# KiCad board OBC-Flight.kicad_pcb
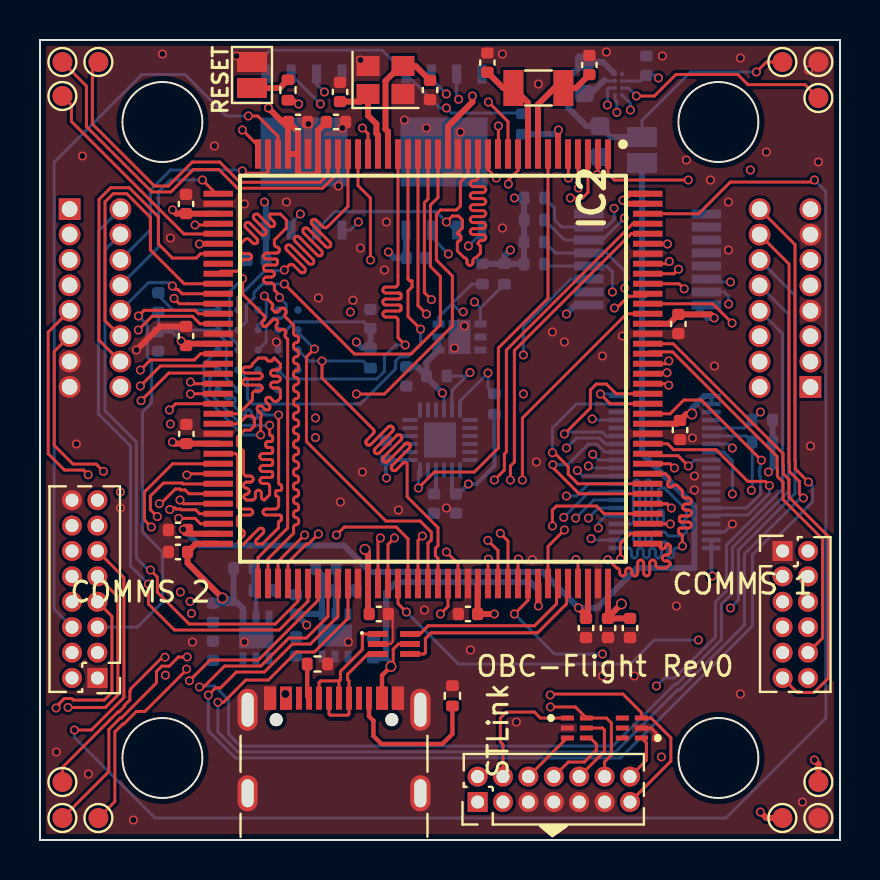
[diagram p0: board, top side]
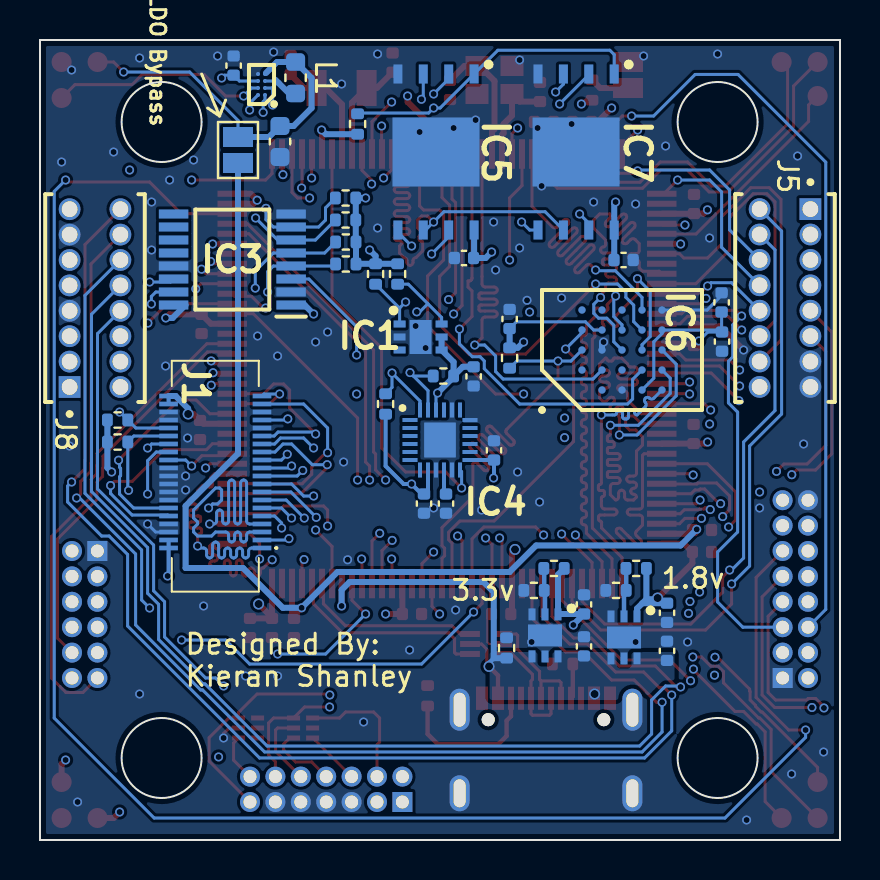
[diagram p1: board, bottom side, seen from below]

Outline 40 x 40 mm; copper layers: Top, In1.Cu (plane), In2.Cu (plane), In3.Cu, In4.Cu (plane), In5.Cu, In6.Cu (plane), Bottom. Coordinates in mm from the lower left corner of the outline.
Outline path: circle c6.12,35.9 r2 ; circle c6.12,4.1 r2 ; circle c33.92,35.9 r2 ; circle c33.92,4.1 r2 ; 0,0 0,40 40,40 40,0 0,0
Stack: Top 0.035mm / dielectric 0.1mm FR4 er 4.5 / In1.Cu 0.035mm / dielectric 0.1mm FR4 er 4.5 / In2.Cu 0.035mm / dielectric 0.1mm FR4 er 4.5 / In3.Cu 0.035mm / dielectric 0.1mm FR4 er 4.5 / In4.Cu 0.035mm / dielectric 0.1mm FR4 er 4.5 / In5.Cu 0.035mm / dielectric 0.1mm FR4 er 4.5 / In6.Cu 0.035mm / dielectric 0.1mm FR4 er 4.5 / Bottom 0.035mm

## Placement (name value [footprint] x y rotation side)
C1  100nF  [C_0402_1005Metric]  17.3 19.48 270 bottom
C2  100nF  [C_0402_1005Metric]  20.8 16.82 90 bottom
C3  100nF  [C_0402_1005Metric]  19.7 16.82 270 bottom
C4  100nF  [C_0402_1005Metric]  18.32 23.18 270 bottom
C5  100nF  [C_0402_1005Metric]  18.8 29.1 0 bottom
C6  4.7uF  [C_0402_1005Metric]  5.9 24.92 270 bottom
C7  4.7uF  [C_0402_1005Metric]  16.52 26.05 90 bottom
C8  100nF  [C_0402_1005Metric]  5.92 26.88 90 bottom
C9  2.2uF  [C_0402_1005Metric]  6.9 15.5 180 top
C10  2.2uF  [C_0402_1005Metric]  27.3 10.6 270 top
C11  4.7uF  [C_0402_1005Metric]  29.5 10.6 270 top
C12  100nF  [C_0402_1005Metric]  14.8 35.9 0 top
C13  100nF  [C_0402_1005Metric]  12.9 35.9 0 top
C14  100nF  [C_0402_1005Metric]  7.3 31.8 90 top
C15  100nF  [C_0402_1005Metric]  7.3 25.2 90 top
C16  100nF  [C_0402_1005Metric]  7.32 20.3 90 top
C17  100nF  [C_0402_1005Metric]  6.9 14.4 180 top
C18  100nF  [C_0402_1005Metric]  16.94 11.3 0 top
C19  100nF  [C_0402_1005Metric]  28.4 10.6 270 top
C20  100nF  [C_0402_1005Metric]  32 20.5 270 top
C21  100nF  [C_0402_1005Metric]  31.92 25.8 270 top
C22  10pF  [C_0402_1005Metric]  19.5 37.5 270 top
C23  10pF  [C_0402_1005Metric]  15 37.4 90 top
C24  4pF  [C_0402_1005Metric]  27.47 38.75 90 top
C25  4pF  [C_0402_1005Metric]  22.37 38.87 90 top
C26  100nF  [C_0402_1005Metric]  10.82 29 180 bottom
C27  1uF  [C_0402_1005Metric]  12.8 9.68 270 bottom
C28  4.7uF  [C_0402_1005Metric]  12.8 11.78 270 bottom
C29  4.7uF  [C_0402_1005Metric]  8.65 11.36 90 bottom
C30  1uF  [C_0402_1005Metric]  8.65 9.46 270 bottom
C31  10uF  [C_0603_1608Metric]  28 34.92 270 bottom
C32  1uF  [C_0402_1005Metric]  21.4 11.3 180 top
C33  4.7uF  [C_0402_1005Metric]  30.32 38.72 270 bottom
IC1  TMP117MAIDRVR  [SON65P200X200X80-7N]  20.97 25.15 180 bottom
IC2  STM32H723ZGT6  [QFP50P2200X2200X160-144N]  19.65 23.56 270 top
IC3  PCA9846PWJ  [SOP65P640X110-16N]  30.38 29.02 0 bottom
IC4  ICM-20948  [QFN40P300X300X105-25N-D]  20 20 180 bottom
IC5  W25N01GVZEIG_TR  [SON127P800X600X80-9N-D]  20.2 34.4 270 bottom
IC6  APS12808L-OBMX-BA  [BGA24C100P5X5_600X800X120]  10.9 24.5 90 bottom
IC7  W25N01GVZEIG_TR  [SON127P800X600X80-9N-D]  13.2 34.4 270 bottom
IC8  TLV76701DRVR  [SON65P200X200X80-7N]  10.8 10.13 270 bottom
IC9  TPS628610YCHR  [BGA8C35P2X4_66X136X40]  28.92 37.77 0 bottom
IC10  TLV76701DRVR  [SON65P200X200X80-7N]  14.75 10.23 270 bottom
IC11  ESDALC6V1-5M6  [ESDALC6V15M6]  26.84 5.6 270 top
IC12  ESDALC6V1-5M6  [ESDALC6V15M6]  29.59 5.6 90 top
IC13  USBLC6-2P6  [USBLC62P6]  17.7 9.8 270 top
J1  SS4-20-3.00-L-D-K-TR  [SS420350LDKTR]  31.23 18.4 270 bottom
J2  STLink  [PinHeader_2x07_P1.27mm_Vertical]  21.88 1.9 90 top
J3  COMMS 1  [PinHeader_2x06_P1.27mm_Vertical]  37.13 14.45 0 top
J4  COMMS 2  [PinHeader_2x08_P1.27mm_Vertical]  2.87 8.1 180 top
J5  SLM-108-01-L-D  [SAMTEC_SLM-108-01-L-D]  2.75 27.1 90 bottom
J7  USB_C_Receptacle_USB2.0  [USB_C_Receptacle_GCT_USB4105-xx-A_16P_TopMnt_Horizontal]  14.7 3.41 0 top
J8  SLM-108-01-L-D  [SAMTEC_SLM-108-01-L-D]  37.25 27.09 270 bottom
JP1  LDO Bypass  [SolderJumper-2_P1.3mm_Open_Pad1.0x1.5mm]  30.1 34.5 270 bottom
JP2  RESET  [SolderJumper-2_P1.3mm_Open_Pad1.0x1.5mm]  10.6 38.25 90 top
L1  0.47uH  [L_0603_1608Metric]  27.22 38.11 90 bottom
R1  2.2k  [R_0402_1005Metric]  24.72 32.1 0 bottom
R2  2.2k  [R_0402_1005Metric]  24.72 31 0 bottom
R3  2.2k  [R_0402_1005Metric]  24.71 28.8 0 bottom
R4  2.2k  [R_0402_1005Metric]  24.71 29.9 0 bottom
R5  5.1k  [R_0402_1005Metric]  13.87 8.8 180 top
R6  5.1k  [R_0402_1005Metric]  20.62 7.21 270 top
R7  200k  [R_0402_1005Metric]  10.19 13.58 0 bottom
R8  160k  [R_0402_1005Metric]  11.2 12.48 0 bottom
R9  500k  [R_0402_1005Metric]  14.3 13.58 0 bottom
R10  160k  [R_0402_1005Metric]  15.3 12.48 0 bottom
R11  2.2k  [R_0402_1005Metric]  22.72 21.8 90 bottom
R12  2.2k  [R_0402_1005Metric]  19.83 23.2 0 bottom
R13  2.2k  [R_0402_1005Metric]  22.12 28.3 270 bottom
R14  2.2k  [R_0402_1005Metric]  23.22 28.3 270 bottom
R15  2.2k  [R_0402_1005Metric]  36.12 21 180 bottom
R16  2.2k  [R_0402_1005Metric]  36.12 19.9 180 bottom
R17  500k  [R_0402_1005Metric]  16.67 9.6 270 bottom
R18  2.2k  [R_0402_1005Metric]  12.4 37.5 90 top
R19  500k  [R_0402_1005Metric]  16.52 24.1 270 bottom
R20  500k  [R_0402_1005Metric]  24.12 35.8 90 bottom
TP1  CSTOP  [TestPoint_Pad_D1.0mm]  1.12 38.9 180 top
TP2  CSLEEP  [TestPoint_Pad_D1.0mm]  2.92 38.9 180 top
TP3  NDSTOP  [TestPoint_Pad_D1.0mm]  1.12 37.2 180 top
TP4  SYNC0  [TestPoint_Pad_D1.0mm]  1.12 1.1 0 top
TP5  SYNC1  [TestPoint_Pad_D1.0mm]  2.92 1.1 0 top
TP6  SYNC2  [TestPoint_Pad_D1.0mm]  1.12 2.9 0 top
TP7  1.8v  [TestPoint_Pad_D1.0mm]  37.12 1.1 180 top
TP8  3.3v  [TestPoint_Pad_D1.0mm]  38.92 2.9 180 top
TP9  GND  [TestPoint_Pad_D1.0mm]  38.92 1.1 180 top
TP10  VCORE  [TestPoint_Pad_D1.0mm]  37.12 38.9 0 top
TP11  GND  [TestPoint_Pad_D1.0mm]  38.92 38.9 0 top
TP12  VSEL  [TestPoint_Pad_D1.0mm]  38.92 37.1 0 top
Y1  48Mhz Quartz Crystal  [Crystal_SMD_2520-4Pin_2.5x2.0mm]  17.27 38 0 top
Y3  32.768kHz Quartz Crystal  [Crystal_SMD_3215-2Pin_3.2x1.5mm]  24.92 37.6 180 top

## Library data of the parts
C1-C33 = -: Description: Unpolarized capacitor, small symbol
IC1 = -: Description: +/-0.1C Accurate Digital Temperature Sensor with Integrated NV Memory; Height: 0.8; Manufacturer_Name: Texas Instruments; Mouser Part Number: 595-TMP117MAIDRVR; Mouser Price/Stock: https://www.mouser.co.uk/ProductDetail/Texas-Instruments/TMP117MAIDRVR?qs=qSfuJ%252Bfl%2Fd6ns6kYPunSVg%3D%3D
IC2 = -: Description: ARM Microcontrollers - MCU High-performance and DSP with DP-FPU, Arm Cortex-M7 MCU with 1 MByte Flash; Height: 1.6; Manufacturer_Name: STMicroelectronics; Mouser Part Number: 511-STM32H723ZGT6; Mouser Price/Stock: https://www.mouser.co.uk/ProductDetail/STMicroelectronics/STM32H723ZGT6?qs=sPbYRqrBIVkPaOxQT7wG%252BA%3D%3D
IC3 = -: Description: NXP - PCA9846PWJ - Bidirectional Switch, 4:1, 2 Circuits, 24 ohm, I2C, 0.8V to 3.6V, TSSOP-16; Height: 1.1; Manufacturer_Name: NXP; Mouser Part Number: 771-PCA9846PWJ; Mouser Price/Stock: https://www.mouser.co.uk/ProductDetail/NXP-Semiconductors/PCA9846PWJ?qs=Q1MICM81PnD8pOOv3dnpxA%3D%3D
IC4 = -: Description: IMUs - Inertial Measurement Units World's Lowest Power 9-Axis MEMS MotionTracking Device; Height: 1.05; Manufacturer_Name: TDK; Mouser Part Number: 410-ICM-20948; Mouser Price/Stock: https://www.mouser.co.uk/ProductDetail/TDK-InvenSense/ICM-20948?qs=u4fy%2FsgLU9OtGc31yF%2Friw%3D%3D
IC5 IC7 = -: Description: IC FLASH 1GBIT 104MHZ 8WSON; Height: 0.8; Manufacturer_Name: Winbond; Manufacturer_Part_Number: W25N01GVZEIG TR; Mouser Part Number: 454-W25N01GVZEIGTR; Mouser Price/Stock: https://www.mouser.co.uk/ProductDetail/Winbond/W25N01GVZEIG-TR?qs=qSfuJ%252Bfl%2Fd6niBi0Qz1MPg%3D%3D
IC6 = -: Description: DRAM IoT RAM 128Mb OPI (x8) DDR 200MHz, 1.8V, Ext. Temp., BGA24; Height: 1.2; Manufacturer_Name: AP Memory; Mouser Part Number: 878-APS12808L-OBMXBA; Mouser Price/Stock: https://www.mouser.co.uk/ProductDetail/AP-Memory/APS12808L-OBMX-BA?qs=TuK3vfAjtkWxIQRMGHfJdg%3D%3D
IC8 IC10 = -: Description: Adjustable and fixed 1-A 16-V positive-voltage low-dropout (LDO) linear regulator; Height: 0.8; Manufacturer_Name: Texas Instruments; Mouser Part Number: 595-TLV76701DRVR; Mouser Price/Stock: https://www.mouser.co.uk/ProductDetail/Texas-Instruments/TLV76701DRVR?qs=l7cgNqFNU1h4nW14BHdGSQ%3D%3D
IC9 = -: Description: Switching Voltage Regulators 1.8-V to 5.5-V input, tiny, 1-A ultra-low Iq step-down converter with I2C/VSEL interface 8-DSBGA -40 to 125; Height: 0.4; Manufacturer_Name: Texas Instruments; Mouser Part Number: 595-TPS628610YCHR; Mouser Price/Stock: https://www.mouser.co.uk/ProductDetail/Texas-Instruments/TPS628610YCHR?qs=hWgE7mdIu5RMknWMDeLEGw%3D%3D
IC11 IC12 = -: Description: STMicroelectronics ESDALC6V1-5M6 Quint Uni-Directional TVS Diode, 30W peak, 6-Pin uQFN; Height: 0.65; Manufacturer_Name: STMicroelectronics; Mouser Part Number: 511-ESDALC6V1-5M6; Mouser Price/Stock: https://www.mouser.co.uk/ProductDetail/STMicroelectronics/ESDALC6V1-5M6?qs=riAxU6JNBCsF7CaldDOuJw%3D%3D
IC13 = -: Description: ESD Suppressors / TVS Diodes High Speed Interface Protection Low Cap; Height: 0.6; Manufacturer_Name: STMicroelectronics; Mouser Part Number: 511-USBLC6-2P6; Mouser Price/Stock: https://www.mouser.co.uk/ProductDetail/STMicroelectronics/USBLC6-2P6?qs=6ARB0lp6jlViGcbUSvj1Mw%3D%3D
J1 = -: Description: Samtec SS4 Series 0.4mm 40 Way 2 Row Straight PCB Socket Surface Mount Board to Board; Height: 3.5; Manufacturer_Name: SAMTEC; Mouser Part Number: 200-SS4203.00LDKTR; Mouser Price/Stock: https://www.mouser.co.uk/ProductDetail/Samtec/SS4-20-300-L-D-K-TR?qs=FESYatJ8odKmMeGvhvNVog%3D%3D
J2 = -: Description: Generic connector, double row, 02x07, odd/even pin numbering scheme (row 1 odd numbers, row 2 even numbers), script generated (kicad-library-utils/schlib/autogen/connector/)
J3 = -: Description: Generic connector, single row, 01x12, script generated
J4 = -: Description: Generic connector, single row, 01x16, script generated
J5 J8 = -: MANUFACTURER: SAMTEC; PARTREV: E; STANDARD: Manufacturer Recommendations
J7 = -: Description: USB 2.0-only Type-C Receptacle connector
JP1 JP2 = -: Description: Jumper, 2-pole, open
L1 = -: Description: Inductor
R1-R20 = -: Description: Resistor, small US symbol
TP1-TP12 = -: Description: test point
Y1 = -: Description: Four pin crystal, GND on pins 2 and 4
Y3 = -: Description: Two pin crystal

## Footprints (pads in the part's own frame, mm; a bottom-side part is the same pattern mirrored in y, then rotated)
BGA8C35P2X4_66X136X40
  round 0.204 smd: A1(-0.175,0.525) A2(0.175,0.525) B1(-0.175,0.175) B2(0.175,0.175) C1(-0.175,-0.175) C2(0.175,-0.175) D1(-0.175,-0.525) D2(0.175,-0.525)
BGA24C100P5X5_600X800X120
  round 0.37 smd: A2(-1,2) A3(0,2) A4(1,2) A5(2,2) B1(-2,1) B2(-1,1) B3(0,1) B4(1,1) B5(2,1) C1(-2,0) C2(-1,0) C3(0,0) C4(1,0) C5(2,0) D1(-2,-1) D2(-1,-1) D3(0,-1) D4(1,-1) D5(2,-1) E1(-2,-2) E2(-1,-2) E3(0,-2) E4(1,-2) E5(2,-2)
C_0402_1005Metric
  rrect 0.56x0.62 smd: 1(-0.48,0) 2(0.48,0)
C_0603_1608Metric
  rrect 0.9x0.95 smd: 1(-0.775,0) 2(0.775,0)
Crystal_SMD_2520-4Pin_2.5x2.0mm
  rect 1.15x1 smd: 1(-0.875,-0.7) 2(0.875,-0.7) 3(0.875,0.7) 4(-0.875,0.7)
Crystal_SMD_3215-2Pin_3.2x1.5mm
  rect 1x1.8 smd: 1(1.25,0) 2(-1.25,0)
ESDALC6V15M6
  rect 0.25x0.65 smd: 1(-0.5,-0.475) 2(0,-0.475) 3(0.5,-0.475) 4(0.5,0.475) 5(0,0.475) 6(-0.5,0.475)
L_0603_1608Metric
  rrect 0.875x0.95 smd: 1(-0.787,0) 2(0.787,0)
PinHeader_2x06_P1.27mm_Vertical
  rect 1x1 hole 0.65: 1(0,0)
  oval 1x1 hole 0.65: 2(1.27,0) 3(0,-1.27) 4(1.27,-1.27) 5(0,-2.54) 6(1.27,-2.54) 7(0,-3.81) 8(1.27,-3.81) 9(0,-5.08) 10(1.27,-5.08) 11(0,-6.35) 12(1.27,-6.35)
PinHeader_2x07_P1.27mm_Vertical
  rect 1x1 hole 0.65: 1(0,0)
  oval 1x1 hole 0.65: 2(1.27,0) 3(0,-1.27) 4(1.27,-1.27) 5(0,-2.54) 6(1.27,-2.54) 7(0,-3.81) 8(1.27,-3.81) 9(0,-5.08) 10(1.27,-5.08) 11(0,-6.35) 12(1.27,-6.35) 13(0,-7.62) 14(1.27,-7.62)
PinHeader_2x08_P1.27mm_Vertical
  rect 1x1 hole 0.65: 1(0,0)
  oval 1x1 hole 0.65: 2(1.27,0) 3(0,-1.27) 4(1.27,-1.27) 5(0,-2.54) 6(1.27,-2.54) 7(0,-3.81) 8(1.27,-3.81) 9(0,-5.08) 10(1.27,-5.08) 11(0,-6.35) 12(1.27,-6.35) 13(0,-7.62) 14(1.27,-7.62) 15(0,-8.89) 16(1.27,-8.89)
QFN40P300X300X105-25N-D
  rect 0.75x0.2 smd: 1(-1.5,1) 2(-1.5,0.6) 3(-1.5,0.2) 4(-1.5,-0.2) 5(-1.5,-0.6) 6(-1.5,-1) 13(1.5,-1) 14(1.5,-0.6) 15(1.5,-0.2) 16(1.5,0.2) 17(1.5,0.6) 18(1.5,1)
  rect 0.2x0.75 smd: 7(-1,-1.5) 8(-0.6,-1.5) 9(-0.2,-1.5) 10(0.2,-1.5) 11(0.6,-1.5) 12(1,-1.5) 19(1,1.5) 20(0.6,1.5) 21(0.2,1.5) 22(-0.2,1.5) 23(-0.6,1.5) 24(-1,1.5)
  rect 1.59x1.75 smd: 25(0,0)
QFP50P2200X2200X160-144N
  rect 1.475x0.3 smd: 1(-10.738,8.75) 2(-10.738,8.25) 3(-10.738,7.75) 4(-10.738,7.25) 5(-10.738,6.75) 6(-10.738,6.25) 7(-10.738,5.75) 8(-10.738,5.25) 9(-10.738,4.75) 10(-10.738,4.25) 11(-10.738,3.75) 12(-10.738,3.25) 13(-10.738,2.75) 14(-10.738,2.25) 15(-10.738,1.75) 16(-10.738,1.25) 17(-10.738,0.75) 18(-10.738,0.25) 19(-10.738,-0.25) 20(-10.738,-0.75) 21(-10.738,-1.25) 22(-10.738,-1.75) 23(-10.738,-2.25) 24(-10.738,-2.75) 25(-10.738,-3.25) 26(-10.738,-3.75) 27(-10.738,-4.25) 28(-10.738,-4.75) 29(-10.738,-5.25) 30(-10.738,-5.75) 31(-10.738,-6.25) 32(-10.738,-6.75) 33(-10.738,-7.25) 34(-10.738,-7.75) 35(-10.738,-8.25) 36(-10.738,-8.75) 73(10.738,-8.75) 74(10.738,-8.25) 75(10.738,-7.75) 76(10.738,-7.25) 77(10.738,-6.75) 78(10.738,-6.25) 79(10.738,-5.75) 80(10.738,-5.25) 81(10.738,-4.75) 82(10.738,-4.25) 83(10.738,-3.75) 84(10.738,-3.25) 85(10.738,-2.75) 86(10.738,-2.25) 87(10.738,-1.75) 88(10.738,-1.25) 89(10.738,-0.75) 90(10.738,-0.25) 91(10.738,0.25) 92(10.738,0.75) 93(10.738,1.25) 94(10.738,1.75) 95(10.738,2.25) 96(10.738,2.75) 97(10.738,3.25) 98(10.738,3.75) 99(10.738,4.25) 100(10.738,4.75) 101(10.738,5.25) 102(10.738,5.75) 103(10.738,6.25) 104(10.738,6.75) 105(10.738,7.25) 106(10.738,7.75) 107(10.738,8.25) 108(10.738,8.75)
  rect 0.3x1.475 smd: 37(-8.75,-10.738) 38(-8.25,-10.738) 39(-7.75,-10.738) 40(-7.25,-10.738) 41(-6.75,-10.738) 42(-6.25,-10.738) 43(-5.75,-10.738) 44(-5.25,-10.738) 45(-4.75,-10.738) 46(-4.25,-10.738) 47(-3.75,-10.738) 48(-3.25,-10.738) 49(-2.75,-10.738) 50(-2.25,-10.738) 51(-1.75,-10.738) 52(-1.25,-10.738) 53(-0.75,-10.738) 54(-0.25,-10.738) 55(0.25,-10.738) 56(0.75,-10.738) 57(1.25,-10.738) 58(1.75,-10.738) 59(2.25,-10.738) 60(2.75,-10.738) 61(3.25,-10.738) 62(3.75,-10.738) 63(4.25,-10.738) 64(4.75,-10.738) 65(5.25,-10.738) 66(5.75,-10.738) 67(6.25,-10.738) 68(6.75,-10.738) 69(7.25,-10.738) 70(7.75,-10.738) 71(8.25,-10.738) 72(8.75,-10.738) 109(8.75,10.738) 110(8.25,10.738) 111(7.75,10.738) 112(7.25,10.738) 113(6.75,10.738) 114(6.25,10.738) 115(5.75,10.738) 116(5.25,10.738) 117(4.75,10.738) 118(4.25,10.738) 119(3.75,10.738) 120(3.25,10.738) 121(2.75,10.738) 122(2.25,10.738) 123(1.75,10.738) 124(1.25,10.738) 125(0.75,10.738) 126(0.25,10.738) 127(-0.25,10.738) 128(-0.75,10.738) 129(-1.25,10.738) 130(-1.75,10.738) 131(-2.25,10.738) 132(-2.75,10.738) 133(-3.25,10.738) 134(-3.75,10.738) 135(-4.25,10.738) 136(-4.75,10.738) 137(-5.25,10.738) 138(-5.75,10.738) 139(-6.25,10.738) 140(-6.75,10.738) 141(-7.25,10.738) 142(-7.75,10.738) 143(-8.25,10.738) 144(-8.75,10.738)
R_0402_1005Metric
  rrect 0.54x0.64 smd: 1(-0.51,0) 2(0.51,0)
SAMTEC_SLM-108-01-L-D
  rect 1.087x1.087 hole 0.787: 01(4.445,-1.27)
  round 1.087 hole 0.787: 02(4.445,1.27) 03(3.175,-1.27) 04(3.175,1.27) 05(1.905,-1.27) 06(1.905,1.27) 07(0.635,-1.27) 08(0.635,1.27) 09(-0.635,-1.27) 10(-0.635,1.27) 11(-1.905,-1.27) 12(-1.905,1.27) 13(-3.175,-1.27) 14(-3.175,1.27) 15(-4.445,-1.27) 16(-4.445,1.27)
SolderJumper-2_P1.3mm_Open_Pad1.0x1.5mm
  rect 1x1.5 smd: 1(-0.65,0) 2(0.65,0)
SON65P200X200X80-7N
  rect 0.6x0.35 smd: 1(-1.05,0.65) 2(-1.05,0) 3(-1.05,-0.65) 4(1.05,-0.65) 5(1.05,0) 6(1.05,0.65)
  rect 1.1x1.7 smd: 7(0,0)
SON127P800X600X80-9N-D
  rect 0.95x0.45 smd: 1(-3.9,1.905) 2(-3.9,0.635) 3(-3.9,-0.635) 4(-3.9,-1.905) 5(3.9,-1.905) 6(3.9,-0.635) 7(3.9,0.635) 8(3.9,1.905)
  rect 3.45x4.35 smd: 9(0,0)
SOP65P640X110-16N
  rect 1.475x0.45 smd: 1(-2.938,2.275) 2(-2.938,1.625) 3(-2.938,0.975) 4(-2.938,0.325) 5(-2.938,-0.325) 6(-2.938,-0.975) 7(-2.938,-1.625) 8(-2.938,-2.275) 9(2.938,-2.275) 10(2.938,-1.625) 11(2.938,-0.975) 12(2.938,-0.325) 13(2.938,0.325) 14(2.938,0.975) 15(2.938,1.625) 16(2.938,2.275)
SS420350LDKTR
  rect 0.23x0.93 smd: 1(3.8,2.335) 2(3.8,-2.335) 3(3.4,2.335) 4(3.4,-2.335) 5(3,2.335) 6(3,-2.335) 7(2.6,2.335) 8(2.6,-2.335) 9(2.2,2.335) 10(2.2,-2.335) 11(1.8,2.335) 12(1.8,-2.335) 13(1.4,2.335) 14(1.4,-2.335) 15(1,2.335) 16(1,-2.335) 17(0.6,2.335) 18(0.6,-2.335) 19(0.2,2.335) 20(0.2,-2.335) 21(-0.2,2.335) 22(-0.2,-2.335) 23(-0.6,2.335) 24(-0.6,-2.335) 25(-1,2.335) 26(-1,-2.335) 27(-1.4,2.335) 28(-1.4,-2.335) 29(-1.8,2.335) 30(-1.8,-2.335) 31(-2.2,2.335) 32(-2.2,-2.335) 33(-2.6,2.335) 34(-2.6,-2.335) 35(-3,2.335) 36(-3,-2.335) 37(-3.4,2.335) 38(-3.4,-2.335) 39(-3.8,2.335) 40(-3.8,-2.335)
TestPoint_Pad_D1.0mm
  round 1 smd: 1(0,0)
USB_C_Receptacle_GCT_USB4105-xx-A_16P_TopMnt_Horizontal
  round 0.65 hole 0.65 unplated: (-2.89,2.605) (2.89,2.605)
  rect 0.6x1.15 smd: A1(-3.2,3.68) A4(-2.4,3.68) A9(2.4,3.68) A12(3.2,3.68) B1(3.2,3.68) B4(2.4,3.68) B9(-2.4,3.68) B12(-3.2,3.68)
  rect 0.3x1.15 smd: A5(-1.25,3.68) A6(-0.25,3.68) A7(0.25,3.68) A8(1.25,3.68) B5(1.75,3.68) B6(0.75,3.68) B7(-0.75,3.68) B8(-1.75,3.68)
  oval 1x2.1 hole 0.6x1.7: S1(-4.32,3.105) S1(4.32,3.105)
  oval 1x1.8 hole 0.6x1.4: S1(-4.32,-1.075) S1(4.32,-1.075)
USBLC62P6
  rect 0.3x0.99 smd: 1(-0.5,-0.805) 2(0,-0.805) 3(0.5,-0.805) 4(0.5,0.805) 5(0,0.805) 6(-0.5,0.805)

## Nets
+1V8: C1.2 C2.2 C4.1 C5.1 C6.1 C7.1 C8.1 C11.1 C12.1 C13.1 C14.1 C15.1 C16.1 C17.1 C18.1 C19.1 C20.1 C21.1 C26.1 C29.2 C33.2 IC1.4 IC1.5 IC2.6 IC2.17 IC2.30 IC2.32 IC2.33 IC2.39 IC2.52 IC2.62 IC2.72 IC2.84 IC2.108 IC2.121 IC2.131 IC2.143 IC2.144 IC3.1 IC3.16 IC4.8 IC4.13 IC4.22 IC5.8 IC6.B4 IC6.D1 IC6.E4 IC7.8 IC8.1 IC9.B1 IC9.C2 J1.38 J1.40 J2.3 J4.13 J8.09 J8.11 R1.1 R2.1 R3.1 R4.1 R7.1 R11.1 R12.1 R13.1 R14.1 R15.1 R16.1 R19.1 R20.1 TP7.1
+3.3V: C28.2 C32.1 IC2.95 IC10.1 J1.2 J1.4 J3.12 J4.12 J8.01 J8.03 R9.1 TP8.1
GND: C1.1 C2.1 C3.2 C4.2 C5.2 C6.2 C7.2 C8.2 C9.2 C10.2 C11.2 C12.2 C13.2 C14.2 C15.2 C16.2 C17.2 C18.2 C19.2 C20.2 C21.2 C22.2 C23.2 C24.2 C25.2 C26.2 C27.1 C28.1 C29.1 C30.1 C31.2 C32.2 C33.1 IC1.2 IC1.7 IC2.16 IC2.31 IC2.38 IC2.51 IC2.61 IC2.83 IC2.94 IC2.107 IC2.120 IC2.130 IC2.138 IC3.2 IC3.8 IC3.13 IC4.9 IC4.11 IC4.18 IC4.20 IC4.25 IC5.4 IC5.9 IC6.B3 IC6.C1 IC6.E5 IC7.4 IC7.9 IC8.3 IC8.5 IC8.7 IC9.D2 IC10.3 IC10.5 IC10.7 IC11.2 IC12.2 IC13.2 J1.6 J1.8 J1.14 J1.16 J1.18 J1.20 J1.22 J1.31 J1.34 J1.35 J1.36 J2.5 J2.7 J2.9 J2.11 J3.1 J4.1 J4.16 J5.13 J5.15 J7.A1 J7.A12 J7.B1 J7.B12 J7.S1 J8.07 J8.13 JP2.2 R5.1 R6.1 R8.2 R10.2 R17.1 TP9.1 TP11.1 Y1.2 Y1.4
VBUS: C27.2 C30.2 IC2.101 IC8.4 IC8.6 IC10.4 IC10.6 IC13.5 J7.A4 J7.A9 J7.B4 J7.B9 R17.2
CAM2_STANDBY: IC2.48 J1.26
CAM_RESET: IC2.123 J1.39
CAM_STANDBY: IC2.112 J1.28
CAM_STROBE: IC2.114 J1.25
CAM_TRIGGER: IC2.115 J1.37
DCMI_D0: IC2.96 J1.23
DCMI_D1: IC2.97 J1.21
DCMI_D2: IC2.98 J1.19
DCMI_D3: IC2.99 J1.17
DCMI_D4: IC2.3 J1.15
DCMI_D5: IC2.117 J1.13
DCMI_D6: IC2.4 J1.11
DCMI_D7: IC2.5 J1.9
DCMI_D8: IC2.111 J1.7
DCMI_D9: IC2.113 J1.5
DCMI_D10: IC2.135 J1.3
DCMI_D11: IC2.116 J1.1
DCMI_HSYNC: IC2.40 J1.27
DCMI_PXCLK: IC2.42 J1.33
DCMI_VSYNC: IC2.124 J1.29
DRV ENABLE 1: IC2.77 J5.04
DRV ENABLE 2: IC2.78 J5.02
DRV ENABLE 3: IC2.79 J8.08
DRV ENABLE 4: IC2.80 J8.10
DRV ENABLE 5: IC2.87 J8.12
FUEL_ALERT: IC2.50 J8.15
GPS_RST: IC2.118 J1.24
I2C1_SCL: IC2.139 IC4.23 IC9.A1 R12.2
I2C1_SDA: IC2.137 IC4.24 IC9.A2 R11.2
I2C2_SCL: IC2.69 J1.32 R15.2
I2C2_SDA: IC2.70 J1.30 R16.2
I2C4_SCL: IC1.1 IC2.54 IC3.14 J4.14 R14.2
I2C4_SDA: IC1.6 IC2.55 IC3.15 J4.15 R13.2
JTDI: IC2.110 IC11.5 J2.10
MCU ENABLE 1: IC2.37 J5.08
MCU ENABLE 2: IC2.35 J5.06
MPPT ENABLE : IC2.88 J5.09
MPU_INT: IC2.7 IC4.12
MUX_RESET: IC2.89 IC3.3
NRST: IC2.25 IC11.6 J2.12 R18.1
OCTOSPI_P1_CLK: IC2.22 IC6.B2
OCTOSPI_P1_DQS: IC2.45 IC6.C3
OCTOSPI_P1_IO0: IC2.73 IC6.D3
OCTOSPI_P1_IO1: IC2.21 IC6.D2
OCTOSPI_P1_IO2: IC2.74 IC6.C4
OCTOSPI_P1_IO3: IC2.18 IC6.D4
OCTOSPI_P1_IO4: IC2.27 IC6.D5
OCTOSPI_P1_IO5: IC2.59 IC6.E3
OCTOSPI_P1_IO6: IC2.60 IC6.E2
OCTOSPI_P1_IO7: IC2.63 IC6.E1
OCTOSPI_P1_NCS: IC2.91 IC6.A3 R19.2
OCTOSPI_P2_CLK: IC2.14 IC5.6 IC7.6
OCTOSPI_P2_IO0: IC2.10 IC7.5
OCTOSPI_P2_IO1: IC2.11 IC7.2
OCTOSPI_P2_IO2: IC2.12 IC7.3
OCTOSPI_P2_IO3: IC2.13 IC7.7
OCTOSPI_P2_IO4: IC2.56 IC5.5
OCTOSPI_P2_IO5: IC2.57 IC5.2
OCTOSPI_P2_IO6: IC2.125 IC5.3
OCTOSPI_P2_IO7: IC2.126 IC5.7
OCTOSPI_P2_NCS: IC2.127 IC5.1 IC7.1 R20.2
PC14-OSC32-IN: C24.1 IC2.8 Y3.2
PC15-OSC32-OUT: C25.1 IC2.9 Y3.1
PE7: IC2.58 TP4.1
PE12: IC2.65 TP5.1
PE15: IC2.68 TP6.1
PH0-OSC-IN: C22.1 IC2.23 Y1.3
PH1-OSC-OUT: C23.1 IC2.24 Y1.1
PSRAM_RST: IC2.90 IC6.A4
PWM1(1): IC2.134 J5.16
PWM1(2): IC2.46 J5.12
PWM1(3): IC2.81 J8.16
PWM1(4): IC2.86 J5.03
PWM1(5): IC2.75 J5.11
PWM2(1): IC2.43 J5.14
PWM2(2): IC2.47 J5.10
PWM2(3): IC2.82 J8.14
PWM2(4): IC2.85 J5.01
PWM2(5): IC2.76 J8.02
PWR_CSLEEP: IC2.29 TP2.1
PWR_CSTOP: IC2.28 TP1.1
PWR_NDSTOP2: IC2.41 TP3.1
R1_IO0: IC2.36 J3.6
R1_IO1: IC2.92 J3.7
R1_IO2: IC2.93 J3.8
R1_IO3: IC2.100 J3.9
R1_IO4: IC2.128 J3.10
R1_IO5: IC2.129 J3.11
R2_IO0: IC2.34 J4.6
R2_IO1: IC2.132 J4.7
R2_IO2: IC2.15 J4.8
R2_IO3: IC2.140 J4.9
R2_IO4: IC2.141 J4.10
R2_IO5: IC2.142 J4.11
SAT_REST: IC2.53 J8.05
SCL(1): IC3.7 J5.05 R1.2
SCL(2): IC3.5 J8.06 R4.2
SDA(1): IC3.6 J5.07 R2.2
SDA(2): IC3.4 J8.04 R3.2
SPI4_MISO: IC2.66 J3.4
SPI4_MOSI: IC2.67 J3.5
SPI4_NSS: IC2.64 J3.3
SPI4_SCK: IC2.1 J3.2
SPI5_MISO: IC2.20 J4.4
SPI5_MOSI: IC2.49 J4.5
SPI5_NSS: IC2.26 J4.3
SPI5_SCK: IC2.19 J4.2
SWCLK: IC2.109 IC11.3 J2.6
SWDIO: IC2.105 IC11.1 J2.4
SWO: IC2.133 IC11.4 J2.8
UART1_RX: IC2.102 IC12.3 J2.13
UART1_TX: IC2.136 IC12.1 J2.14
UART2_RX: IC2.122 J1.12
UART2_TX: IC2.119 J1.10
USB+: IC2.104 IC13.4
USB-: IC2.103 IC13.6
USB_ESD+: IC13.3 J7.A6 J7.B6
USB_ESD-: IC13.1 J7.A7 J7.B7
VCORE: C9.1 C10.1 IC2.71 IC2.106 JP1.2
VCORE_ADJ_VSEL: IC2.2 IC9.B2 TP12.1
Net-(IC4-REGOUT): C3.1 IC4.10
Net-(IC8-FB): IC8.2 R7.2 R8.1
Net-(IC9-SW): IC9.C1 L1.1
Net-(IC9-VOS): C31.1 IC9.D1 JP1.1 L1.2 TP10.1
Net-(IC10-FB): IC10.2 R9.2 R10.1
Net-(J7-CC1): J7.A5 R5.2
Net-(J7-CC2): J7.B5 R6.2
Net-(JP2-A): JP2.1 R18.2

Pads without a net: IC1 3; IC2 44; IC3 9 10 11 12; IC4 1 2 3 4 5 6 7 14 15 16 17 19 21; IC6 A2 A5 B1 B5 C2 C5; IC12 4 5 6; J2 1 2; J7 A8 B8

## Via types
v1: diameter 0.45, hole 0.3, Top to Bottom, 265 vias
v2: diameter 0.55, hole 0.4, Top to Bottom, 6 vias
